# Altium PCB Archimajor.PcbDoc (part 7 of 12)
Units mm, origin at the board's own origin, x right, y up, seen from the top; angles counter-clockwise.
Board outline 190 x 140 mm, 6 copper layers (Top Layer, Top GND, Power Plane, Mid1, Bot GND, Bottom Layer), stack 1.776 mm thick; 842 components, 658 nets, 2620 pads, 2775 vias.
Unrouted connection lines stored in the file: 128.
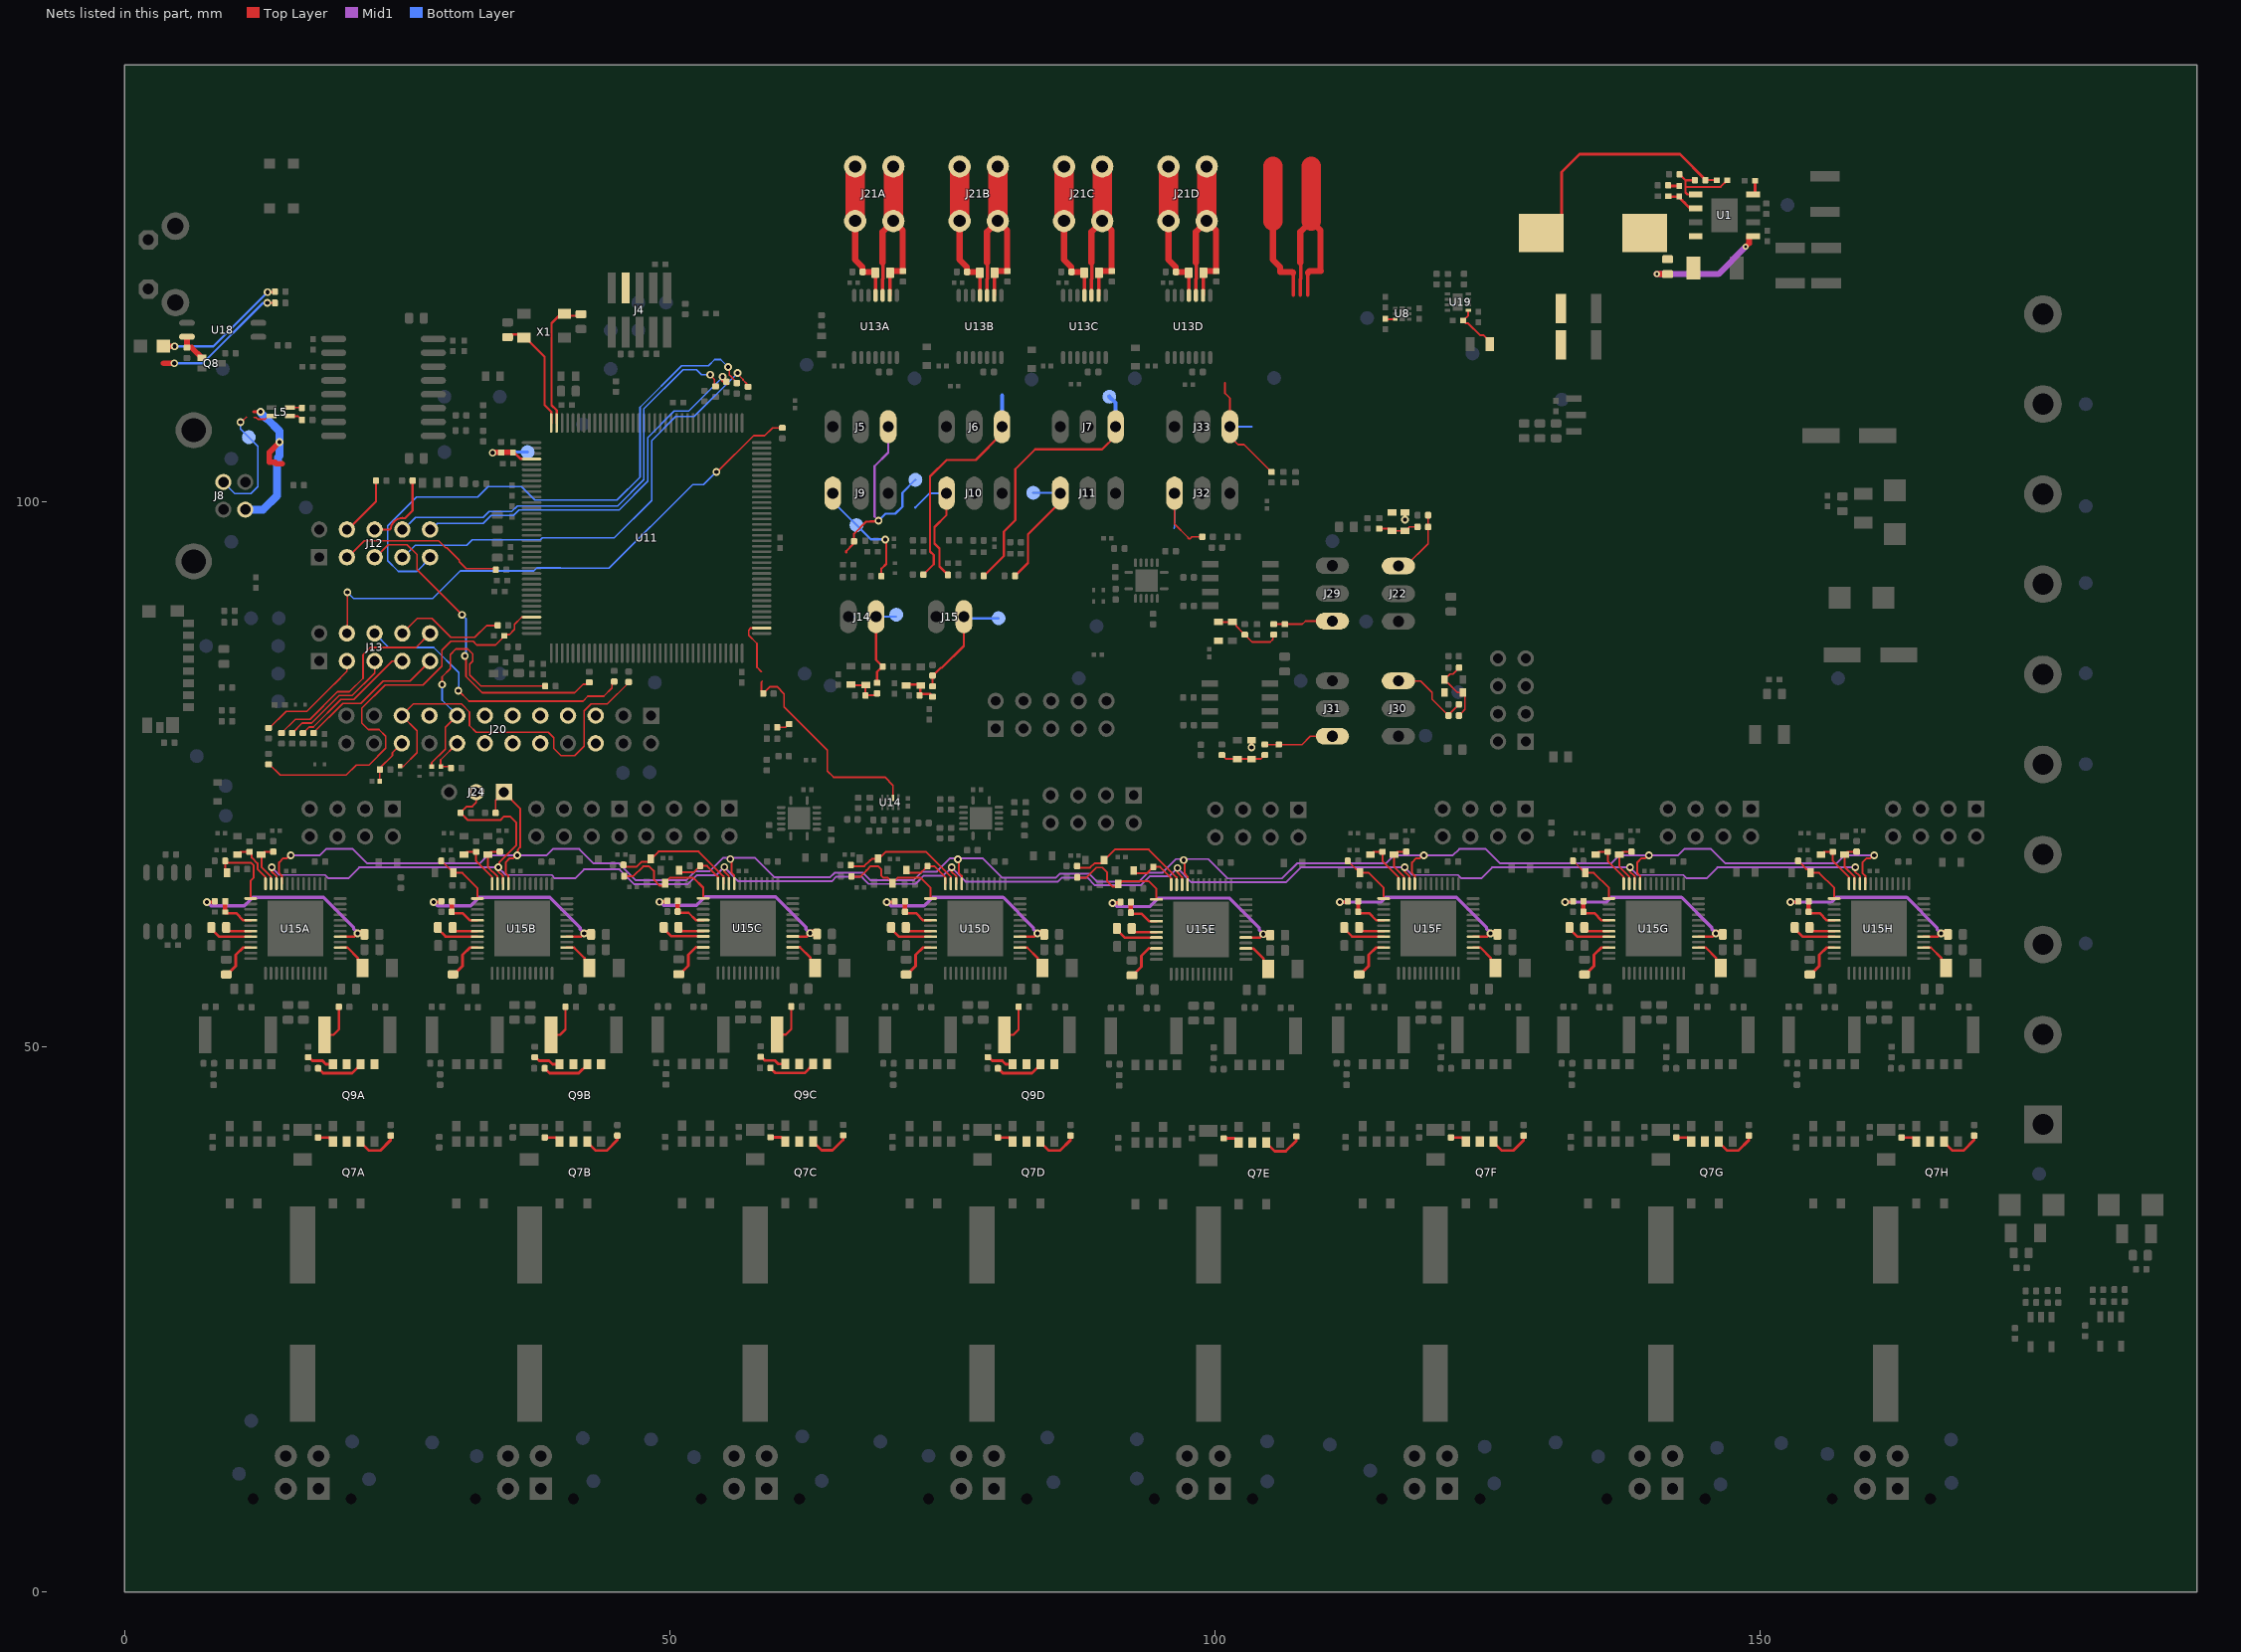
[diagram p11: the nets of this part, all layers, seen from the top]

## Via types
v1: diameter 0.711, hole 0.381, Top Layer to Bottom Layer, tented both sides, 2401 vias
v2: diameter 0.559, hole 0.254, Top Layer to Bottom Layer, 222 vias
v3: diameter 0.711, hole 0.381, Top Layer to Bottom Layer, 109 vias
v4: diameter 0.737, hole 0.381, Top Layer to Bottom Layer, tented both sides, 16 vias
v5: diameter 0.762, hole 0.381, Top Layer to Bottom Layer, 16 vias
v6: diameter 0.559, hole 0.254, Top Layer to Bottom Layer, tented both sides, 11 vias

## Nets (pads, with @x,y where several pads share a name; then routed paths per layer and width w, separated by ;. In a path a pad name is that pad's centre, name@x,y a point inside that pad or via, vN(x,y) a via of type N, cw(c..) or ccw(c..) an arc to the next point about the centre after c; other vN are vias at no path point) (continued)
MOT_SD_MODE: J24.1 R197.1 U15A.21 U15B.21 U15C.21 U15D.21 U15E.21 U15F.21 U15G.21 U15H.21 | length 189.3
  Top Layer w0.178: U15A.21@14.432,64.935 14.432,65.672 14.173,65.932 14.173,66.898 14.552,67.277 14.892,67.277 15.15,67.535 v1(15.25,67.535) v1@15.292,67.577 ; R197.1@34.03,71.44 34.03,72.58 J24.1@34.79,73.34 36.282,71.848 36.282,68.281 36.043,68.042 v1@36.043,67.553 ; U15B.21@35.207,64.935 35.207,65.672 34.948,65.932 34.948,66.898 35.327,67.277 35.667,67.277 35.925,67.535 v1(36.025,67.535) v1@36.043,67.553 ; v1@36.067,67.577 v1@36.043,67.553 ; v1@55.656,67.119 55.656,65.956 55.915,65.697 U15C.21@55.915,64.96 ; v1@76.498,67.095 76.498,65.932 76.757,65.672 U15D.21@76.757,64.935 ; v1@97.206,67.019 97.206,65.856 97.465,65.597 U15E.21@97.465,64.86 ; U15F.21@118.307,64.935 118.307,65.672 118.048,65.932 118.048,66.898 118.427,67.277 118.767,67.277 119.025,67.535 v1(119.125,67.535) v1@119.167,67.577 ; U15G.21@138.958,64.935 138.958,65.672 138.698,65.932 138.698,66.898 139.077,67.277 139.417,67.277 139.675,67.535 v1(139.775,67.535) v1@139.817,67.577 ; U15H.21@159.608,64.935 159.608,65.672 159.348,65.932 159.348,66.898 159.728,67.277 160.068,67.277 160.325,67.535 v1(160.425,67.535) v1@160.468,67.577
  Mid1 w0.178: v1(15.25,67.535) 17.9,67.535 18.5,68.135 20.925,68.135 22.25,66.81 32.55,66.81 33.275,67.535 v1(36.025,67.535) 38.675,67.535 39.275,68.135 41.7,68.135 43.025,66.81 45.345,66.81 46.908,65.247 51.493,65.247 52.311,66.065 53.638,66.065 54.875,67.301 55.558,67.301 57.826,67.301 59.604,65.523 64.685,65.523 65.103,65.941 67.714,65.941 68.38,65.275 72.387,65.275 73.153,66.041 74.481,66.041 75.717,67.277 76.4,67.277 78.668,67.277 80.446,65.499 85.413,65.499 85.779,65.865 88.417,65.865 89.135,65.147 93.043,65.147 93.861,65.965 95.188,65.965 96.425,67.201 97.108,67.201 99.376,67.201 101.154,65.423 106.121,65.423 107.508,66.81 115.65,66.81 116.375,67.535 v1(119.125,67.535) 121.775,67.535 122.375,68.135 124.8,68.135 126.125,66.81 136.3,66.81 137.025,67.535 v1(139.775,67.535) 142.425,67.535 143.025,68.135 145.45,68.135 146.775,66.81 156.95,66.81 157.675,67.535 v1(160.425,67.535)
  other v1: 97.108,67.109 76.4,67.185 55.558,67.209
MOT_SPI_MODE: J24.2 R198.1 U15A.22 U15B.22 U15C.22 U15D.22 U15E.22 U15F.22 U15G.22 U15H.22 | length 181
  Top Layer w0.178: v1@13.487,66.45 13.487,66.078 13.932,65.633 U15A.22@13.932,64.935 ; R198.1@30.794,71.46 31.366,72.032 31.901,72.032 32.25,72.381 J24.2@32.25,73.34 ; R198.1@30.82,71.435 31.473,70.781 34.479,70.781 34.808,71.111 35.345,71.111 35.901,70.555 35.901,68.439 34.362,66.9 34.362,66.525 v1(34.287,66.45) ; v1@34.262,66.45 34.262,66.078 34.707,65.633 U15B.22@34.707,64.935 ; v1@54.97,66.475 54.97,66.103 55.415,65.658 U15C.22@55.415,64.96 ; v1@75.812,66.45 75.812,66.078 76.257,65.633 U15D.22@76.257,64.935 ; v1@96.52,66.375 96.52,66.003 96.965,65.558 U15E.22@96.965,64.86 ; v1@117.362,66.45 117.362,66.078 117.807,65.633 U15F.22@117.807,64.935 ; v1@138.013,66.45 138.013,66.078 138.458,65.633 U15G.22@138.458,64.935 ; v1@158.663,66.45 158.663,66.078 159.108,65.633 U15H.22@159.108,64.935
  Mid1 w0.178: v1(13.512,66.45) 13.497,66.435 14.187,65.745 18.385,65.745 18.688,65.441 20.531,65.441 21.525,66.435 v1@34.272,66.435 ; v1(34.287,66.45) v1@34.272,66.435 ; v1(54.995,66.475) v1@54.98,66.459 ; v1(75.837,66.45) v1@75.822,66.435 ; v1(96.545,66.375) v1@96.53,66.359 ; v1(117.387,66.45) v1@117.372,66.435 ; v1(138.038,66.45) v1@138.022,66.435 ; v1(158.688,66.45) 158.672,66.435 146.05,66.435 145.056,65.441 143.213,65.441 142.91,65.745 138.713,65.745 v1@138.022,66.435 ; v1@34.272,66.435 34.962,65.745 39.16,65.745 39.463,65.441 41.306,65.441 42.124,66.259 45.393,66.259 46.761,64.891 51.64,64.891 52.458,65.709 54.23,65.709 v1@54.98,66.459 ; v1@54.98,66.459 56.272,65.168 64.833,65.168 65.25,65.585 67.567,65.585 67.707,65.445 67.707,65.44 68.227,64.92 72.535,64.92 73.3,65.685 75.072,65.685 v1@75.822,66.435 ; v1@75.822,66.435 77.114,65.143 85.592,65.143 85.958,65.509 88.269,65.509 88.987,64.791 93.19,64.791 94.008,65.609 95.78,65.609 v1@96.53,66.359 ; v1@96.53,66.359 97.822,65.068 106.501,65.068 107.868,66.435 v1@117.372,66.435 ; v1@117.372,66.435 118.062,65.745 122.26,65.745 122.563,65.441 124.406,65.441 125.4,66.435 v1@138.022,66.435
NetC1_1: C1.1 U1.1 | length 11.4
  Top Layer w0.254: v2@148.548,123.462 v2(148.65,123.36)
  Top Layer w0.508: v2(148.65,123.36) 148.954,123.665 U1.1@148.954,124.298
  Top Layer w0.559: v2(140.504,120.843) C1.1@141.479,120.843
  Mid1 w0.559: v2(140.504,120.843) 146.132,120.843 v2(148.65,123.36)
NetC1_2: C1.2 D2.K L1.1 U1.8
NetC3_1: C3.1 R1.2 R5.2 U1.5 | length 7.9
  Top Layer w0.203: R5.2@142.574,129.998 143.124,129.448 ; R1.2@143.984,129.448 143.124,129.448 ; U1.5@144.069,128.136 143.304,128.136 143.124,128.315 143.124,128.773 ; C3.1@146.941,129.448 146.332,128.838 143.189,128.838 143.124,128.773 ; 143.124,128.773 143.124,129.448
NetC3_2: C3.2 C4.2 C5.2 C198.2 L1.2 R1.1 R148.1 U19.1 | length 26.1
  Top Layer w0.178: U19.1@123.199,117.525 123.199,117.041 C198.2@122.732,116.574 122.973,116.332 123.189,116.332 124.268,115.253 124.586,115.253 125.17,114.668 R148.1@125.17,114.416 ; R1.1@144.946,129.448 C3.2@145.984,129.448
  Top Layer w0.254: L1.2@131.779,124.698 131.779,130.179 133.425,131.825 142.614,131.825 R1.1@144.969,129.471
  Top Layer w0.762: C5.2@131.629,114.273 C5.2@131.704,114.348
NetC12A_1: C12A.1 C23A.2 J21A.2 TP23A.1 U13A.2 U13A.3 | length 23
  Top Layer w0.305: 69.503,121.909 69.56,121.851 69.56,120.401 69.515,120.355 U13A.3@69.515,118.889 ; U13A.2@70.165,118.889 70.18,118.904 70.18,120.948 C23A.2@70.193,120.961
  Top Layer w0.559: 69.503,121.909 69.503,124.715 J21A.2@70.495,125.708 71.361,124.841 C12A.1@71.361,121.106 ; C23A.2@70.195,120.961 70.34,121.106 C12A.1@71.361,121.106 ; C12A.1@71.374,121.106 C12A.1@71.361,121.106
  Top Layer w1.778: J21A.2@70.495,125.708 J21A.2@70.495,130.708
  Bottom Layer w0.203: J21A.2@70.495,125.708 70.551,125.763 TP23A.1@70.551,128.098
NetC12B_1: C12B.1 C23B.2 J21B.2 TP23B.1 U13B.2 U13B.3 | length 23
  Top Layer w0.305: 79.078,121.909 79.136,121.851 79.136,120.401 79.091,120.355 U13B.3@79.091,118.889 ; U13B.2@79.741,118.889 79.756,118.904 79.756,120.948 C23B.2@79.769,120.961
  Top Layer w0.559: 79.078,121.909 79.078,124.715 J21B.2@80.071,125.708 80.937,124.841 C12B.1@80.937,121.106 ; C23B.2@79.771,120.961 79.915,121.106 C12B.1@80.937,121.106 ; C12B.1@80.949,121.106 C12B.1@80.937,121.106
  Top Layer w1.778: J21B.2@80.071,125.708 J21B.2@80.071,130.708
  Bottom Layer w0.203: TP23B.1@80.06,128.098 80.06,125.718 J21B.2@80.071,125.708
NetC12C_1: C12C.1 C23C.2 J21C.2 TP23C.1 U13C.2 U13C.3 | length 23
  Top Layer w0.305: 88.654,121.909 88.712,121.851 88.712,120.401 88.666,120.355 U13C.3@88.666,118.889 ; U13C.2@89.316,118.889 89.331,118.904 89.331,120.948 C23C.2@89.345,120.961
  Top Layer w0.559: 88.654,121.909 88.654,124.715 J21C.2@89.647,125.708 90.513,124.841 C12C.1@90.513,121.106 ; C23C.2@89.346,120.961 89.491,121.106 C12C.1@90.513,121.106 ; C12C.1@90.525,121.106 C12C.1@90.513,121.106
  Top Layer w1.778: J21C.2@89.647,125.708 J21C.2@89.647,130.708
  Bottom Layer w0.203: TP23C.1@89.629,128.098 89.629,125.725 J21C.2@89.647,125.708
NetC12D_1: C12D.1 C23D.2 J21D.2 TP23D.1 U13D.2 U13D.3 | length 23
  Top Layer w0.305: 98.23,121.909 98.288,121.851 98.288,120.401 98.242,120.355 U13D.3@98.242,118.889 ; U13D.2@98.892,118.889 98.907,118.904 98.907,120.948 C23D.2@98.921,120.961
  Top Layer w0.559: 98.23,121.909 98.23,124.715 J21D.2@99.222,125.708 100.089,124.841 C12D.1@100.089,121.106 ; C23D.2@98.922,120.961 99.067,121.106 C12D.1@100.089,121.106 ; C12D.1@100.101,121.106 C12D.1@100.089,121.106
  Top Layer w1.778: J21D.2@99.222,125.708 J21D.2@99.222,130.708
  Bottom Layer w0.203: J21D.2@99.222,125.708 99.238,125.723 TP23D.1@99.238,128.098
NetC12E_1: TP23E.1 | length 23
  Top Layer w0.305: 107.806,121.909 107.863,121.851 107.863,120.401 107.818,120.355 107.818,118.889 ; 108.468,118.889 108.483,118.904 108.483,120.948 108.496,120.961
  Top Layer w0.559: 107.806,121.909 107.806,124.715 108.798,125.708 109.664,124.841 109.664,121.106 ; 108.498,120.961 108.643,121.106 109.664,121.106 ; 109.677,121.106 109.664,121.106
  Top Layer w1.778: 108.798,125.708 108.798,130.708
  Bottom Layer w0.203: 108.798,125.708 108.798,128.089 TP23E.1@108.807,128.098
NetC23A_1: C23A.1 C30A.2 J21A.1 TP24A.1 U13A.4 | length 15.6
  Top Layer w0.305: U13A.4@68.865,118.889 C23A.1@68.865,120.961
  Top Layer w0.559: J21A.1@66.995,125.708 66.995,122.16 67.671,121.484 C30A.2@67.671,121.038 ; C30A.2@67.683,121.038 68.759,121.038 C23A.1@68.835,120.961
  Top Layer w1.778: J21A.1@66.995,125.708 J21A.1@66.995,130.708
  Bottom Layer w0.203: J21A.1@66.995,125.708 67.024,125.736 TP24A.1@67.024,128.098
NetC23B_1: C23B.1 C30B.2 J21B.1 TP24B.1 U13B.4 | length 15.6
  Top Layer w0.305: U13B.4@78.441,118.889 C23B.1@78.441,120.961
  Top Layer w0.559: J21B.1@76.571,125.708 76.571,122.16 77.247,121.484 C30B.2@77.247,121.038 ; C30B.2@77.259,121.038 78.334,121.038 C23B.1@78.411,120.961
  Top Layer w1.778: J21B.1@76.571,125.708 J21B.1@76.571,130.708
  Bottom Layer w0.203: J21B.1@76.571,125.708 76.613,125.75 TP24B.1@76.613,128.098
NetC23C_1: C23C.1 C30C.2 J21C.1 TP24C.1 U13C.4 | length 15.6
  Top Layer w0.305: U13C.4@88.016,118.889 C23C.1@88.016,120.961
  Top Layer w0.559: J21C.1@86.147,125.708 86.147,122.16 86.822,121.484 C30C.2@86.822,121.038 ; C30C.2@86.835,121.038 87.91,121.038 C23C.1@87.986,120.961
  Top Layer w1.778: J21C.1@86.147,125.708 J21C.1@86.147,130.708
  Bottom Layer w0.203: J21C.1@86.147,125.708 86.162,125.723 TP24C.1@86.162,128.098
NetC23D_1: C23D.1 C30D.2 J21D.1 TP24D.1 U13D.4 | length 15.6
  Top Layer w0.305: U13D.4@97.592,118.889 C23D.1@97.592,120.961
  Top Layer w0.559: J21D.1@95.722,125.708 95.722,122.16 96.398,121.484 C30D.2@96.398,121.038 ; C30D.2@96.41,121.038 97.486,121.038 C23D.1@97.562,120.961
  Top Layer w1.778: J21D.1@95.722,125.708 J21D.1@95.722,130.708
  Bottom Layer w0.203: J21D.1@95.722,125.708 95.771,125.756 TP24D.1@95.771,128.098
NetC23E_1: TP24E.1 | length 15.6
  Top Layer w0.305: 107.168,118.889 107.168,120.961
  Top Layer w0.559: 105.298,125.708 105.298,122.16 105.974,121.484 105.974,121.038 ; 105.986,121.038 107.062,121.038 107.138,120.961
  Top Layer w1.778: 105.298,125.708 105.298,130.708
  Bottom Layer w0.203: 105.298,125.708 105.321,125.73 TP24E.1@105.321,128.098
NetC26_1: C26.1 U8.6 | length 0.9
  Top Layer w0.203: C26.1@115.592,116.75 115.636,116.705 U8.6@116.502,116.705
NetC41_2: C41.2 U11.35 X1.3 | length 12
  Top Layer w0.203: 39.167,116.331 39.167,108.818 39.629,108.356 U11.35@39.629,107.188 ; 39.166,116.331 39.842,117.008 C41.2@41.587,117.008
NetC42_2: C42.2 U11.36 X1.1 | length 10.6
  Top Layer w0.203: C42.2@35.237,115.306 X1.1@36.713,115.306 ; X1.1@36.63,115.003 X1.1@36.766,115.003 ; X1.1@36.912,115.003 X1.1@36.766,115.003 ; U11.36@39.129,107.188 39.129,108.209 38.512,108.826 38.512,113.257 X1.1@36.766,115.003
NetC47A_1: C47A.1 U15A.34 | length 3.8
  Top Layer w0.203: 10.888,59.085 U15A.34@11.582,59.085
  Top Layer w0.254: C47A.1@9.385,56.573 10.211,57.399 10.211,58.408 10.888,59.085
NetC47B_1: C47B.1 U15B.34 | length 3.8
  Top Layer w0.203: 31.663,59.085 U15B.34@32.357,59.085
  Top Layer w0.254: C47B.1@30.16,56.573 30.986,57.399 30.986,58.408 31.663,59.085
NetC47C_1: C47C.1 U15C.34 | length 3.8
  Top Layer w0.203: 52.371,59.11 U15C.34@53.065,59.11
  Top Layer w0.254: C47C.1@50.868,56.597 51.694,57.423 51.694,58.432 52.371,59.11
NetC47D_1: C47D.1 U15D.34 | length 3.8
  Top Layer w0.203: 73.213,59.085 U15D.34@73.907,59.085
  Top Layer w0.254: C47D.1@71.71,56.573 72.536,57.399 72.536,58.408 73.213,59.085
NetC47E_1: C47E.1 U15E.34 | length 3.8
  Top Layer w0.203: 93.921,59.01 U15E.34@94.615,59.01
  Top Layer w0.254: C47E.1@92.418,56.497 93.244,57.323 93.244,58.332 93.921,59.01
NetC47F_1: C47F.1 U15F.34 | length 3.8
  Top Layer w0.203: 114.763,59.085 U15F.34@115.457,59.085
  Top Layer w0.254: C47F.1@113.26,56.573 114.086,57.399 114.086,58.408 114.763,59.085
NetC47G_1: C47G.1 U15G.34 | length 3.8
  Top Layer w0.203: 135.413,59.085 U15G.34@136.108,59.085
  Top Layer w0.254: C47G.1@133.91,56.573 134.736,57.399 134.736,58.408 135.413,59.085
NetC47H_1: C47H.1 U15H.34 | length 3.8
  Top Layer w0.203: 156.064,59.085 U15H.34@156.758,59.085
  Top Layer w0.254: C47H.1@154.56,56.573 155.386,57.399 155.386,58.408 156.064,59.085
NetC49_1: C49.1 R49.2 TP32.1 U11.40 | length 7
  Top Layer w0.229: C49.1@35.721,104.484 36.317,103.888 U11.40@37.329,103.888
  Top Layer w0.254: v1(33.757,104.458) v1@33.782,104.484 ; C49.1@35.593,104.484 C49.1@35.611,104.466
  Top Layer w0.508: v1@33.782,104.484 R49.2@34.544,104.484 C49.1@35.593,104.484
  Bottom Layer w0.305: v1(33.757,104.458) 33.82,104.521 TP32.1@36.957,104.521
NetC64_2: C64.2 U11.110 U14.2 | length 25.6
  Top Layer w0.152: 58.372,83.429 58.393,83.429 58.393,82.559 C64.2@58.568,82.384 ; 58.463,83.509 58.463,83.534
  Top Layer w0.165: 58.393,84.392 57.993,84.792 57.993,86.968 57.243,87.718 57.243,88.193 57.437,88.388 U11.110@58.429,88.388 ; C64.2@58.568,82.384 58.568,82.394 58.781,82.607 58.79,82.607 59.193,83.009 59.818,83.009 60.478,82.349 60.478,81.147 63.522,78.103 63.526,78.103 64.443,77.185 64.443,75.278 65.011,74.709 69.718,74.709 70.468,73.959 U14.2@70.468,72.817
NetC79_1: C79.1 R60.1 | length 1.2
  Top Layer w0.166: R60.1@59.848,79.284 60.624,79.284 60.924,79.584 C79.1@60.943,79.584
NetC124A_1: C124A.1 U15A.32 | length 4
  Top Layer w0.229: C124A.1@7.897,60.865 8.67,60.093 11.582,60.093 U15A.32@11.582,60.085
NetC124A_2: C124A.2 U15A.31 | length 2.4
  Top Layer w0.229: C124A.2@9.317,60.925 9.657,60.585 U15A.31@11.582,60.585
NetC124B_1: C124B.1 U15B.32 | length 4
  Top Layer w0.229: C124B.1@28.672,60.865 29.445,60.093 32.357,60.093 U15B.32@32.357,60.085
NetC124B_2: C124B.2 U15B.31 | length 2.4
  Top Layer w0.229: C124B.2@30.092,60.925 30.432,60.585 U15B.31@32.357,60.585
NetC124C_1: C124C.1 U15C.32 | length 4
  Top Layer w0.229: C124C.1@49.38,60.89 50.153,60.117 53.065,60.117 U15C.32@53.065,60.11
NetC124C_2: C124C.2 U15C.31 | length 2.4
  Top Layer w0.229: C124C.2@50.8,60.95 51.14,60.61 U15C.31@53.065,60.61
NetC124D_1: C124D.1 U15D.32 | length 4
  Top Layer w0.229: C124D.1@70.222,60.865 70.995,60.093 73.907,60.093 U15D.32@73.907,60.085
NetC124D_2: C124D.2 U15D.31 | length 2.4
  Top Layer w0.229: C124D.2@71.642,60.925 71.982,60.585 U15D.31@73.907,60.585
NetC124E_1: C124E.1 U15E.32 | length 4
  Top Layer w0.229: C124E.1@90.93,60.79 91.703,60.017 94.615,60.017 U15E.32@94.615,60.01
NetC124E_2: C124E.2 U15E.31 | length 2.4
  Top Layer w0.229: C124E.2@92.35,60.85 92.69,60.51 U15E.31@94.615,60.51
NetC124F_1: C124F.1 U15F.32 | length 4
  Top Layer w0.229: C124F.1@111.772,60.865 112.545,60.093 115.457,60.093 U15F.32@115.457,60.085
NetC124F_2: C124F.2 U15F.31 | length 2.4
  Top Layer w0.229: C124F.2@113.192,60.925 113.532,60.585 U15F.31@115.457,60.585
NetC124G_1: C124G.1 U15G.32 | length 4
  Top Layer w0.229: C124G.1@132.423,60.865 133.195,60.093 136.108,60.093 U15G.32@136.108,60.085
NetC124G_2: C124G.2 U15G.31 | length 2.4
  Top Layer w0.229: C124G.2@133.843,60.925 134.183,60.585 U15G.31@136.108,60.585
NetC124H_1: C124H.1 U15H.32 | length 4
  Top Layer w0.229: C124H.1@153.073,60.865 153.845,60.093 156.758,60.093 U15H.32@156.758,60.085
NetC124H_2: C124H.2 U15H.31 | length 2.4
  Top Layer w0.229: C124H.2@154.493,60.925 154.833,60.585 U15H.31@156.758,60.585
NetC125A_2: C125A.2 U15A.3 | length 3.1
  Top Layer w0.229: U15A.3@19.782,59.085 20.45,59.085 21.412,58.123 21.412,57.971 21.862,57.521 C125A.2@21.862,57.2
NetC125B_2: C125B.2 U15B.3 | length 3.1
  Top Layer w0.229: U15B.3@40.557,59.085 41.225,59.085 42.187,58.123 42.187,57.971 42.637,57.521 C125B.2@42.637,57.2
NetC125C_2: C125C.2 U15C.3 | length 3.1
  Top Layer w0.229: U15C.3@61.265,59.11 61.933,59.11 62.895,58.148 62.895,57.995 63.345,57.545 C125C.2@63.345,57.225
NetC125D_2: C125D.2 U15D.3 | length 3.1
  Top Layer w0.229: U15D.3@82.107,59.085 82.775,59.085 83.737,58.123 83.737,57.971 84.187,57.521 C125D.2@84.187,57.2
NetC125E_2: C125E.2 U15E.3 | length 3.1
  Top Layer w0.229: U15E.3@102.815,59.01 103.483,59.01 104.445,58.048 104.445,57.895 104.895,57.445 C125E.2@104.895,57.125
NetC125F_2: C125F.2 U15F.3 | length 3.1
  Top Layer w0.229: U15F.3@123.657,59.085 124.325,59.085 125.287,58.123 125.287,57.971 125.737,57.521 C125F.2@125.737,57.2
NetC125G_2: C125G.2 U15G.3 | length 3.1
  Top Layer w0.229: U15G.3@144.308,59.085 144.976,59.085 145.938,58.123 145.938,57.971 146.388,57.521 C125G.2@146.388,57.2
NetC125H_2: C125H.2 U15H.3 | length 3.1
  Top Layer w0.229: U15H.3@164.958,59.085 165.626,59.085 166.588,58.123 166.588,57.971 167.038,57.521 C125H.2@167.038,57.2
NetC131A_2: C131A.2 R107A.2 U15A.5 | length 18.9
  Top Layer w0.229: U15A.5@19.782,60.085 21.077,60.085 v1(21.377,60.385)
  Top Layer w0.305: v1(7.562,63.25) 8.23,63.25 R107A.2@8.28,63.3
  Top Layer w0.508: v1(21.377,60.385) v1@21.392,60.4
  Top Layer w0.61: v1@21.392,60.4 C131A.2@21.932,60.4
  Mid1 w0.305: v1(7.562,63.25) 7.612,63.25 7.937,62.925 10.987,62.925 11.762,63.7 18.237,63.7 21.012,60.925 21.012,60.75 v1(21.377,60.385) v1@21.377,60.26
  Mid1 w0.559: v1(21.377,60.385) v1@21.417,60.425
NetC131B_2: C131B.2 R107B.2 U15B.5 | length 18.9
  Top Layer w0.229: U15B.5@40.557,60.085 41.852,60.085 v1(42.152,60.385)
  Top Layer w0.305: v1(28.337,63.25) 29.005,63.25 R107B.2@29.055,63.3
  Top Layer w0.508: v1(42.152,60.385) v1@42.167,60.4
  Top Layer w0.61: v1@42.167,60.4 C131B.2@42.707,60.4
  Mid1 w0.305: v1(28.337,63.25) 28.387,63.25 28.712,62.925 31.762,62.925 32.537,63.7 39.012,63.7 41.787,60.925 41.787,60.75 v1(42.152,60.385) v1@42.152,60.26
  Mid1 w0.559: v1(42.152,60.385) v1@42.192,60.425
NetC131C_2: C131C.2 R107C.2 U15C.5 | length 18.9
  Top Layer w0.229: U15C.5@61.265,60.11 62.56,60.11 v1(62.86,60.41)
  Top Layer w0.305: v1(49.045,63.275) 49.713,63.275 R107C.2@49.763,63.325
  Top Layer w0.508: v1(62.86,60.41) v1@62.875,60.425
  Top Layer w0.61: v1@62.875,60.425 C131C.2@63.415,60.425
  Mid1 w0.305: v1(49.045,63.275) 49.095,63.275 49.42,62.95 52.47,62.95 53.245,63.725 59.72,63.725 62.495,60.95 62.495,60.775 v1(62.86,60.41) v1@62.86,60.285
  Mid1 w0.559: v1(62.86,60.41) v1@62.9,60.45
NetC131D_2: C131D.2 R107D.2 U15D.5 | length 18.9
  Top Layer w0.229: U15D.5@82.107,60.085 83.402,60.085 v1(83.702,60.385)
  Top Layer w0.305: v1(69.887,63.25) 70.555,63.25 R107D.2@70.605,63.3
  Top Layer w0.508: v1(83.702,60.385) v1@83.717,60.4
  Top Layer w0.61: v1@83.717,60.4 C131D.2@84.257,60.4
  Mid1 w0.305: v1(69.887,63.25) 69.937,63.25 70.262,62.925 73.312,62.925 74.087,63.7 80.562,63.7 83.337,60.925 83.337,60.75 v1(83.702,60.385) v1@83.702,60.26
  Mid1 w0.559: v1(83.702,60.385) v1@83.742,60.425
NetC131E_2: C131E.2 R107E.2 U15E.5 | length 18.9
  Top Layer w0.229: U15E.5@102.815,60.01 104.11,60.01 v1(104.41,60.31)
  Top Layer w0.305: v1(90.595,63.175) 91.263,63.175 R107E.2@91.313,63.225
  Top Layer w0.508: v1(104.41,60.31) v1@104.425,60.325
  Top Layer w0.61: v1@104.425,60.325 C131E.2@104.965,60.325
  Mid1 w0.305: v1(90.595,63.175) 90.645,63.175 90.97,62.85 94.02,62.85 94.795,63.625 101.27,63.625 104.045,60.85 104.045,60.675 v1(104.41,60.31) v1@104.41,60.185
  Mid1 w0.559: v1(104.41,60.31) v1@104.45,60.35
NetC131F_2: C131F.2 R107F.2 U15F.5 | length 18.7
  Top Layer w0.229: U15F.5@123.657,60.085 124.952,60.085 v1(125.252,60.385)
  Top Layer w0.305: v1(111.437,63.25) 112.105,63.25 R107F.2@112.155,63.3